# KiCad board hack_pad.kicad_pcb
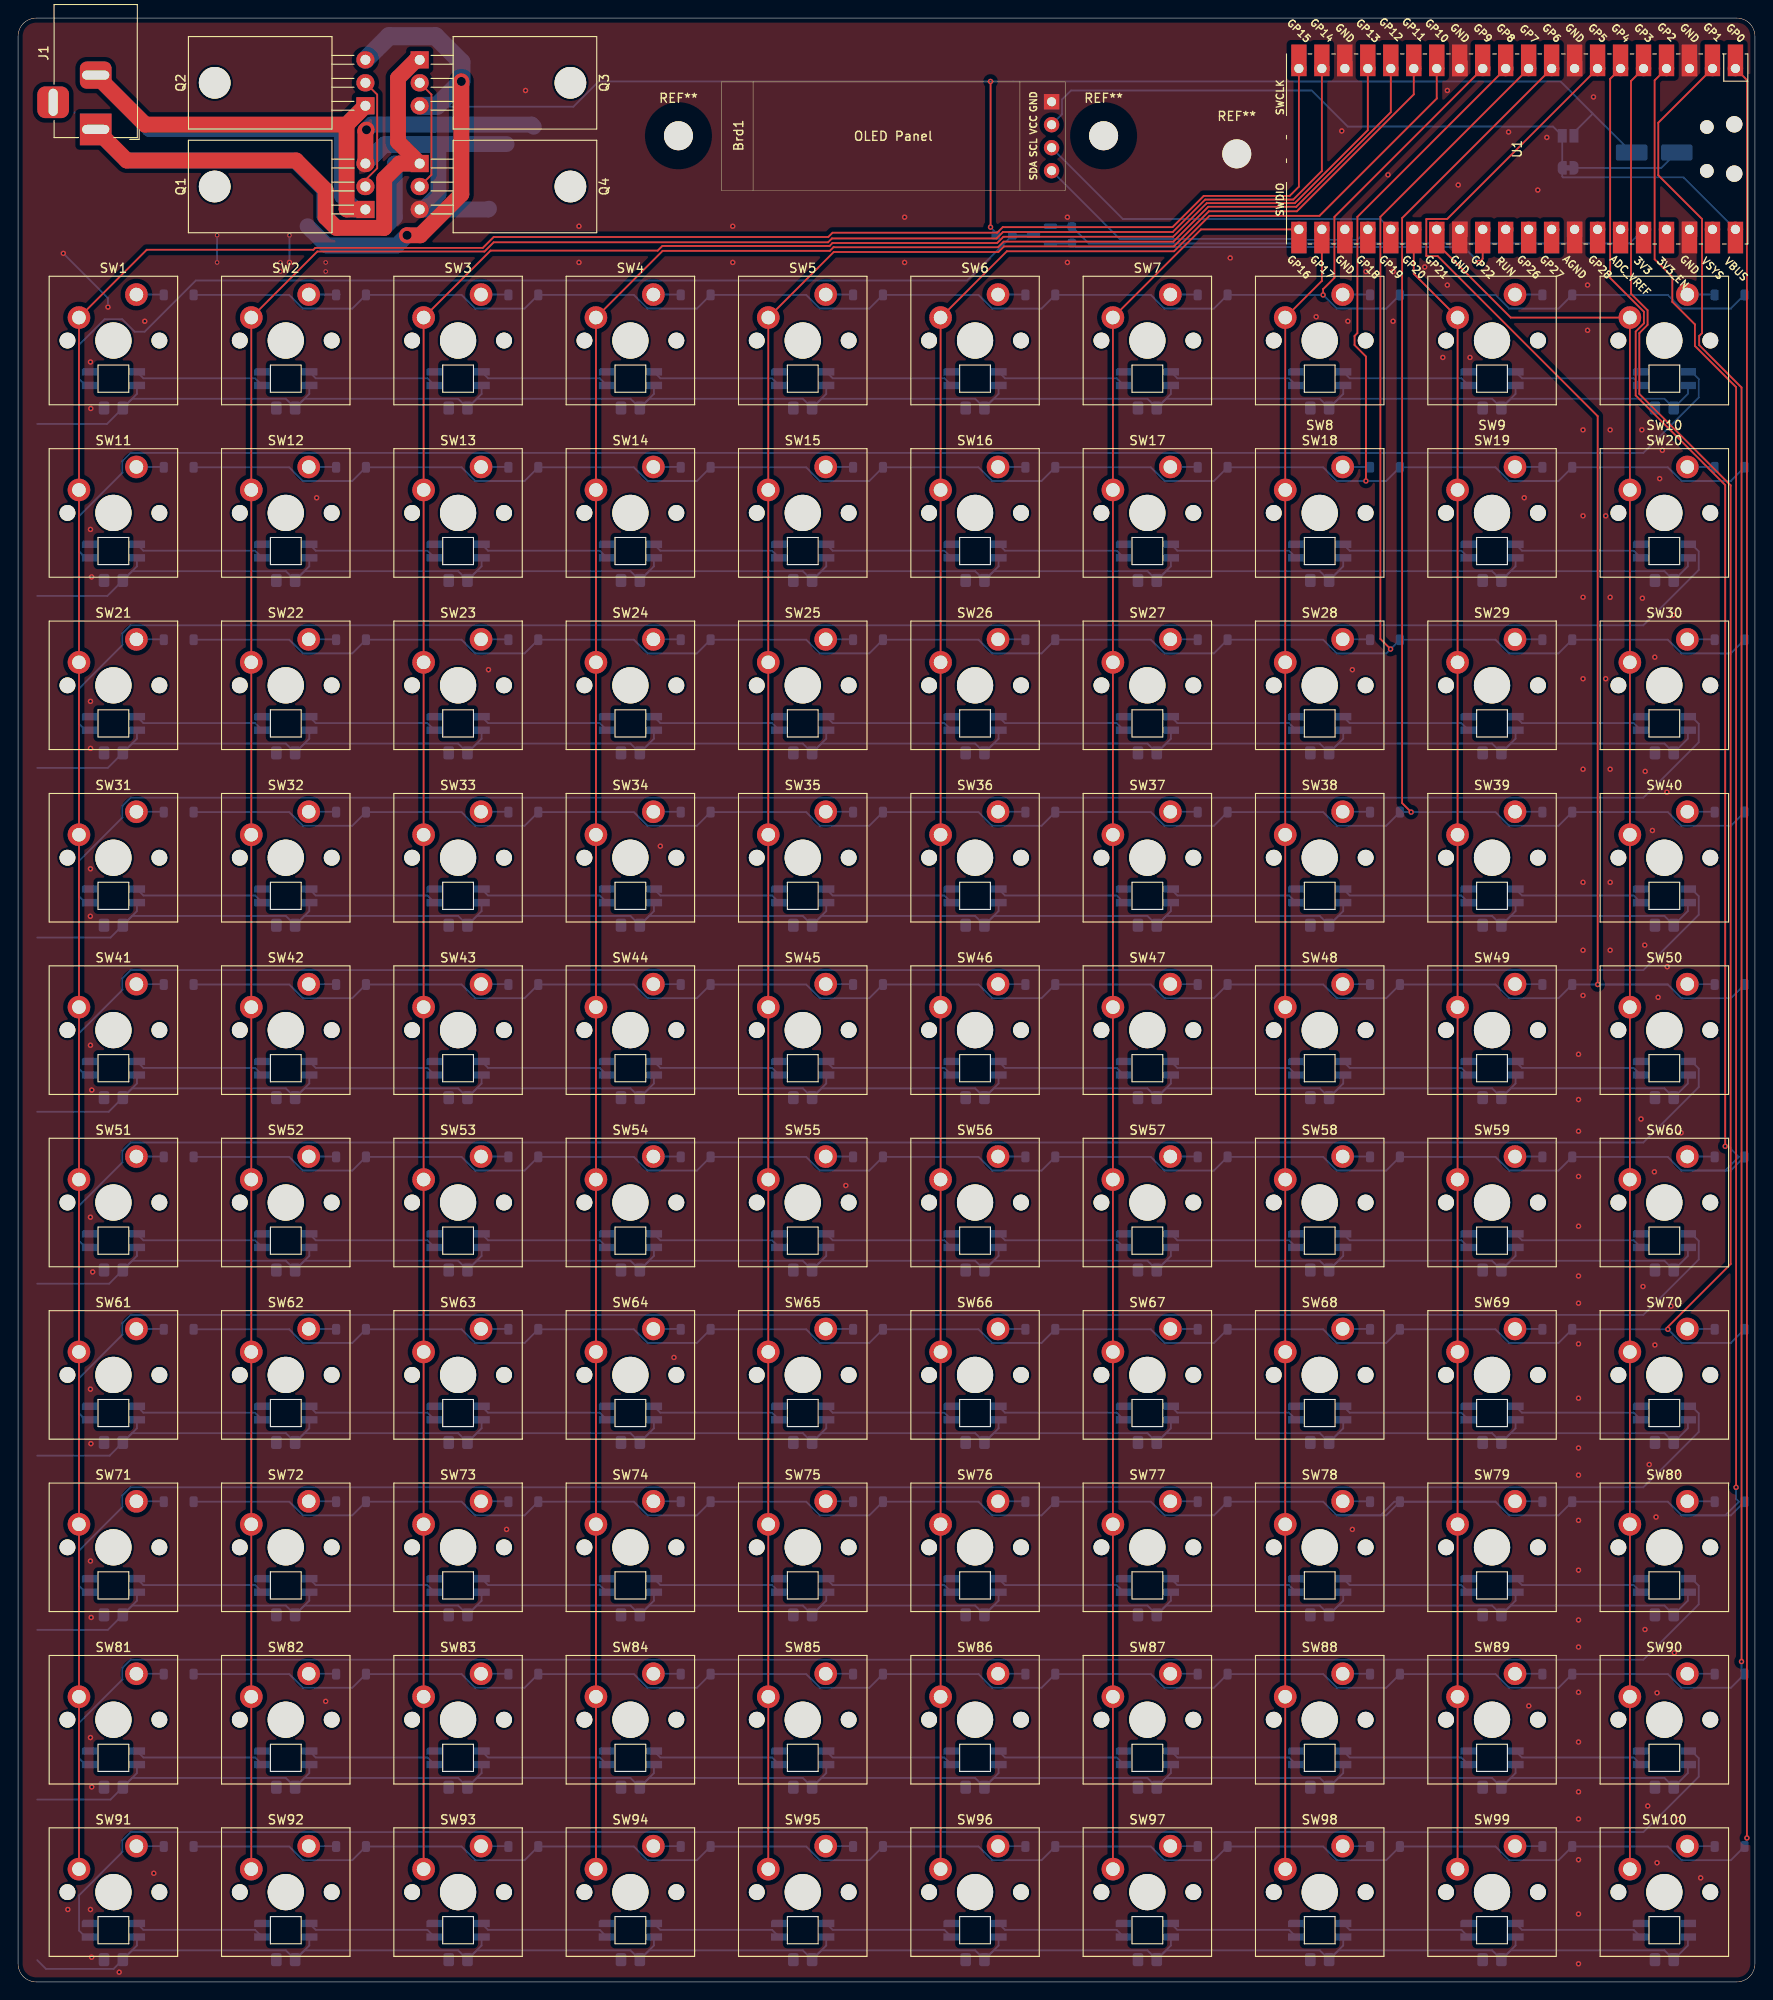
[diagram p0: board, top side]
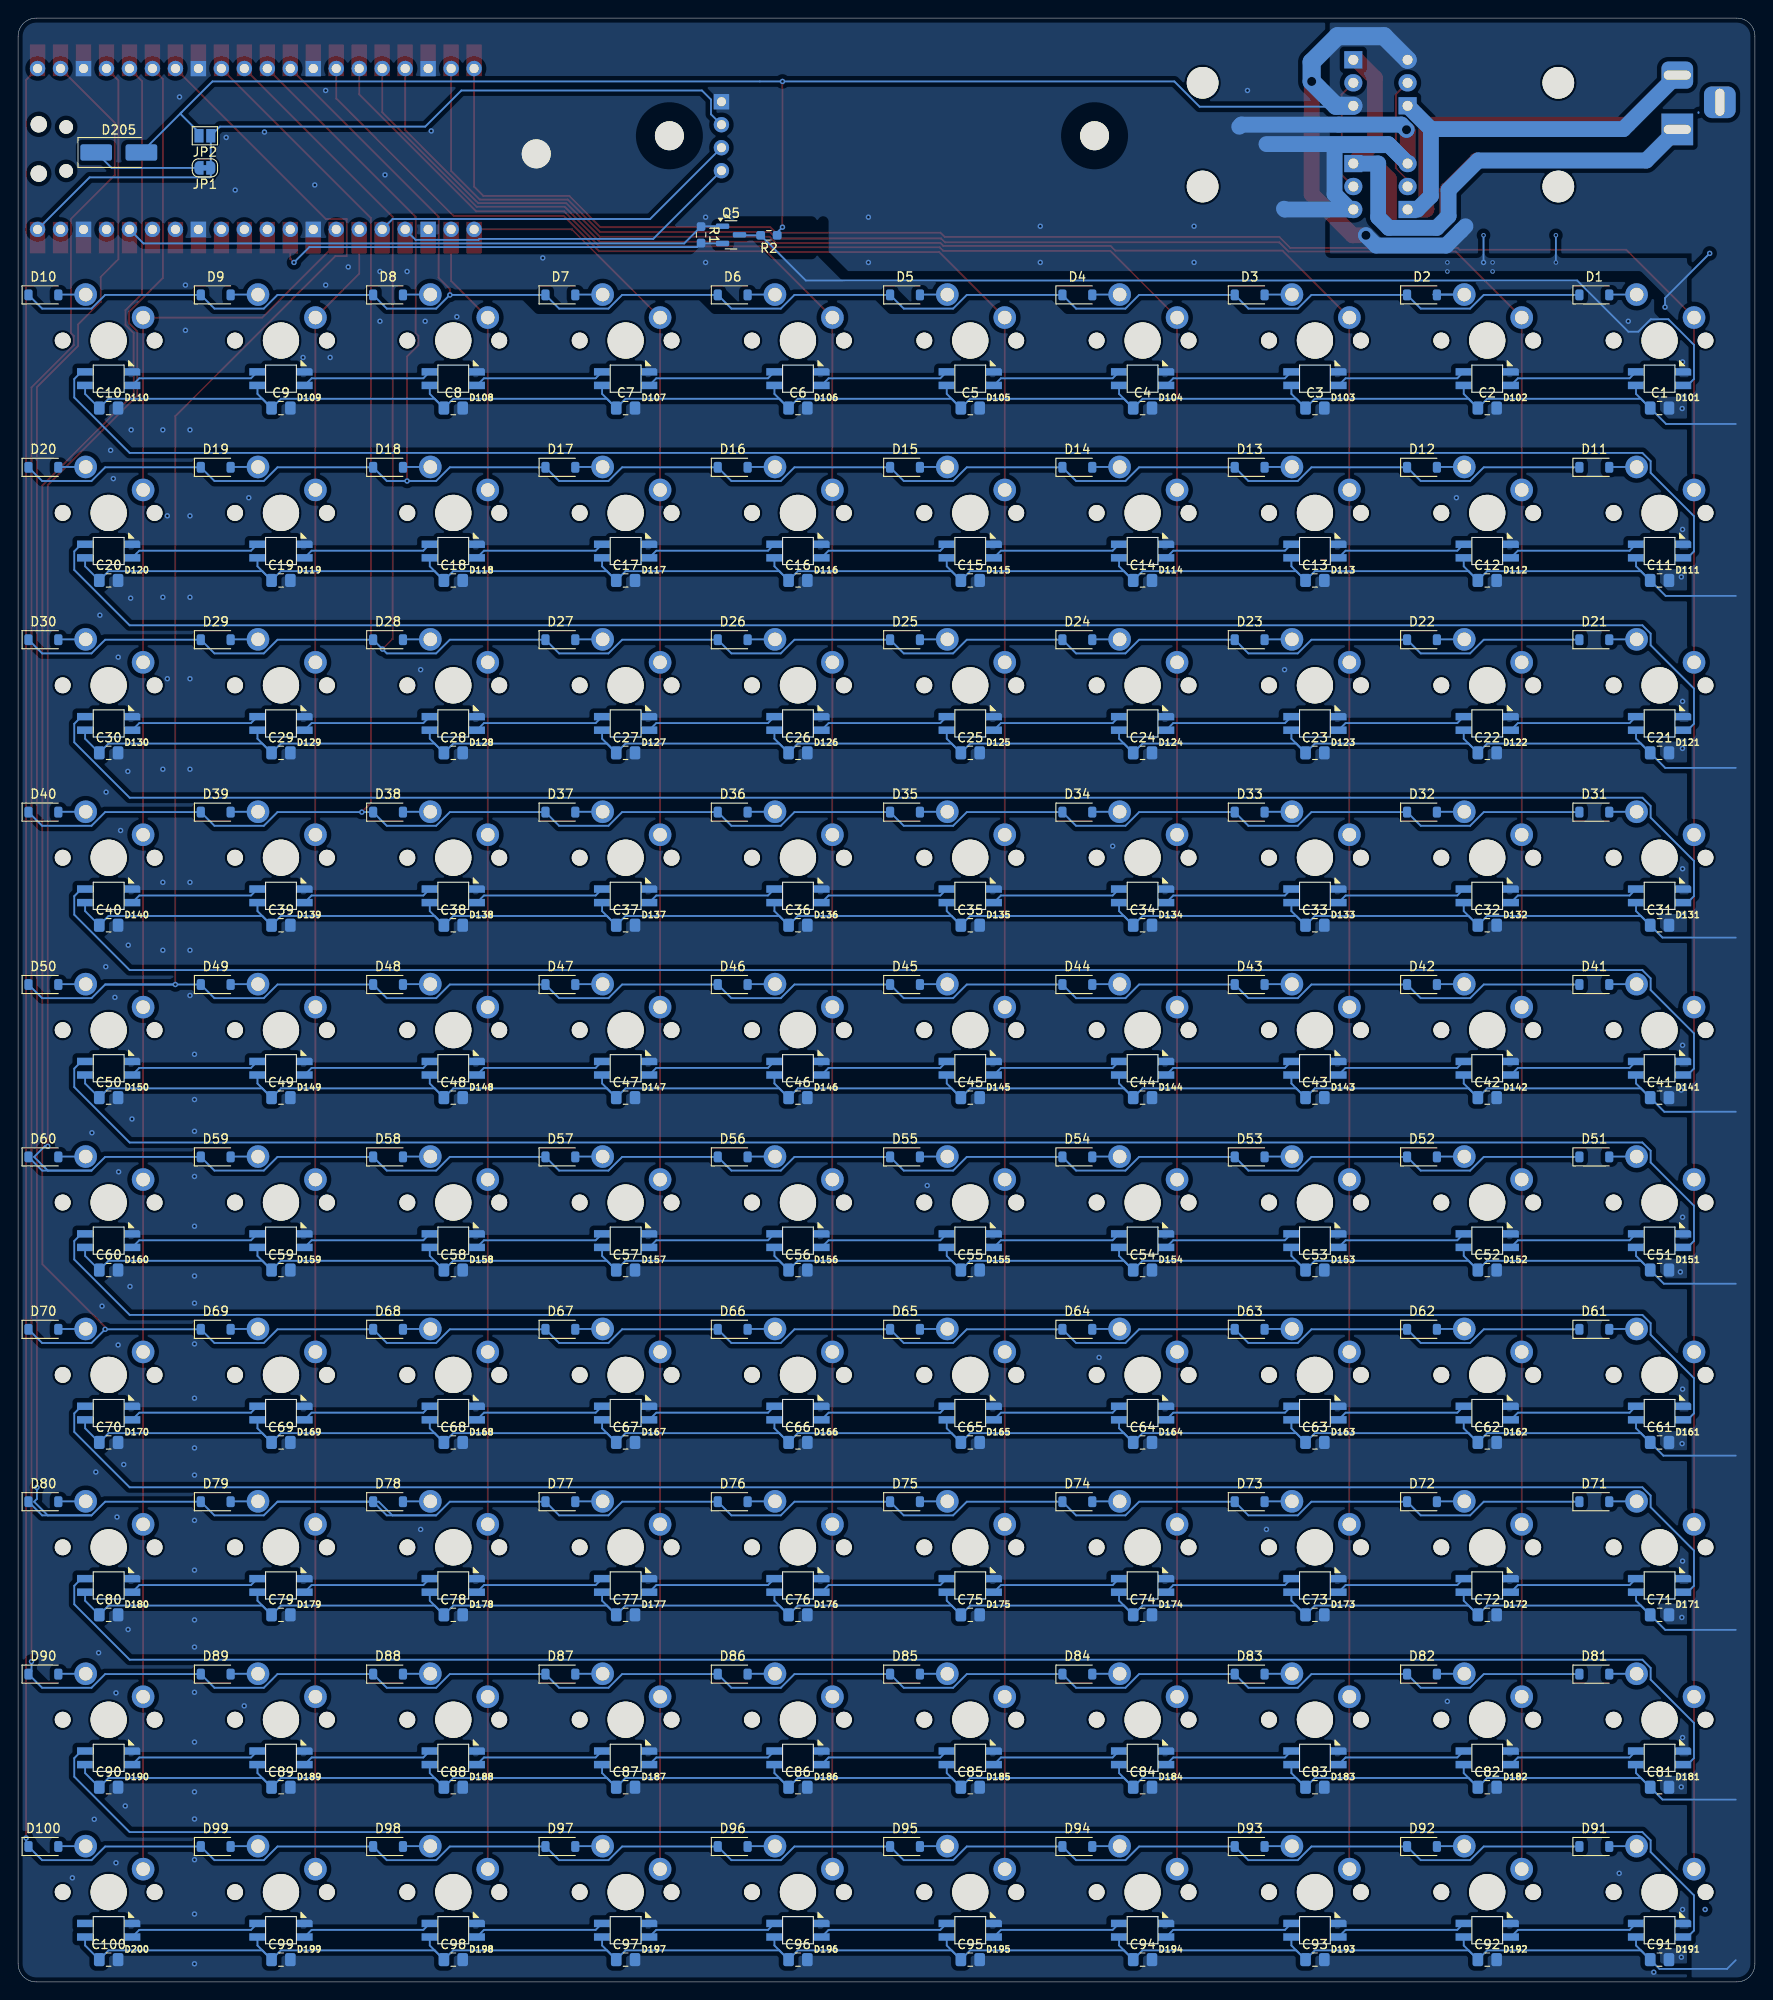
[diagram p1: board, bottom side, seen from below]

Outline 192 x 217 mm; copper layers: Top, Bottom. Coordinates in mm from the lower left corner of the outline.
Outline path: 0,215 arc(0.59,216.41) 2,217 190,217 arc(191.41,216.41) 192,215 192,2 arc(191.41,0.59) 190,0 2,0 arc(0.59,0.59) 0,2 0,215

## Placement (name value [footprint] x y rotation side)
Brd1  SSD1306  [SSD1306-0.91-OLED-4pin-128x32]  77.75 209.95 0 top
C1  C  [C_0805_2012Metric_Pad1.18x1.45mm_HandSolder]  10.54 173.91 180 bottom
C2  C  [C_0805_2012Metric_Pad1.18x1.45mm_HandSolder]  29.59 173.91 180 bottom
C3  C  [C_0805_2012Metric_Pad1.18x1.45mm_HandSolder]  48.64 173.91 180 bottom
C4  C  [C_0805_2012Metric_Pad1.18x1.45mm_HandSolder]  67.69 173.91 180 bottom
C5  C  [C_0805_2012Metric_Pad1.18x1.45mm_HandSolder]  86.74 173.91 180 bottom
C6  C  [C_0805_2012Metric_Pad1.18x1.45mm_HandSolder]  105.79 173.91 180 bottom
C7  C  [C_0805_2012Metric_Pad1.18x1.45mm_HandSolder]  124.84 173.91 180 bottom
C8  C  [C_0805_2012Metric_Pad1.18x1.45mm_HandSolder]  143.89 173.91 180 bottom
C9  C  [C_0805_2012Metric_Pad1.18x1.45mm_HandSolder]  162.94 173.91 180 bottom
C10  C  [C_0805_2012Metric_Pad1.18x1.45mm_HandSolder]  181.99 173.91 180 bottom
C11  C  [C_0805_2012Metric_Pad1.18x1.45mm_HandSolder]  10.54 154.86 180 bottom
C12  C  [C_0805_2012Metric_Pad1.18x1.45mm_HandSolder]  29.59 154.86 180 bottom
C13  C  [C_0805_2012Metric_Pad1.18x1.45mm_HandSolder]  48.64 154.86 180 bottom
C14  C  [C_0805_2012Metric_Pad1.18x1.45mm_HandSolder]  67.69 154.86 180 bottom
C15  C  [C_0805_2012Metric_Pad1.18x1.45mm_HandSolder]  86.74 154.86 180 bottom
C16  C  [C_0805_2012Metric_Pad1.18x1.45mm_HandSolder]  105.79 154.86 180 bottom
C17  C  [C_0805_2012Metric_Pad1.18x1.45mm_HandSolder]  124.84 154.86 180 bottom
C18  C  [C_0805_2012Metric_Pad1.18x1.45mm_HandSolder]  143.89 154.86 180 bottom
C19  C  [C_0805_2012Metric_Pad1.18x1.45mm_HandSolder]  162.94 154.86 180 bottom
C20  C  [C_0805_2012Metric_Pad1.18x1.45mm_HandSolder]  181.99 154.86 180 bottom
C21  C  [C_0805_2012Metric_Pad1.18x1.45mm_HandSolder]  10.54 135.81 180 bottom
C22  C  [C_0805_2012Metric_Pad1.18x1.45mm_HandSolder]  29.59 135.81 180 bottom
C23  C  [C_0805_2012Metric_Pad1.18x1.45mm_HandSolder]  48.64 135.81 180 bottom
C24  C  [C_0805_2012Metric_Pad1.18x1.45mm_HandSolder]  67.69 135.81 180 bottom
C25  C  [C_0805_2012Metric_Pad1.18x1.45mm_HandSolder]  86.74 135.81 180 bottom
C26  C  [C_0805_2012Metric_Pad1.18x1.45mm_HandSolder]  105.79 135.81 180 bottom
C27  C  [C_0805_2012Metric_Pad1.18x1.45mm_HandSolder]  124.84 135.81 180 bottom
C28  C  [C_0805_2012Metric_Pad1.18x1.45mm_HandSolder]  143.89 135.81 180 bottom
C29  C  [C_0805_2012Metric_Pad1.18x1.45mm_HandSolder]  162.94 135.81 180 bottom
C30  C  [C_0805_2012Metric_Pad1.18x1.45mm_HandSolder]  181.99 135.81 180 bottom
C31  C  [C_0805_2012Metric_Pad1.18x1.45mm_HandSolder]  10.54 116.76 180 bottom
C32  C  [C_0805_2012Metric_Pad1.18x1.45mm_HandSolder]  29.59 116.76 180 bottom
C33  C  [C_0805_2012Metric_Pad1.18x1.45mm_HandSolder]  48.64 116.76 180 bottom
C34  C  [C_0805_2012Metric_Pad1.18x1.45mm_HandSolder]  67.69 116.76 180 bottom
C35  C  [C_0805_2012Metric_Pad1.18x1.45mm_HandSolder]  86.74 116.76 180 bottom
C36  C  [C_0805_2012Metric_Pad1.18x1.45mm_HandSolder]  105.79 116.76 180 bottom
C37  C  [C_0805_2012Metric_Pad1.18x1.45mm_HandSolder]  124.84 116.76 180 bottom
C38  C  [C_0805_2012Metric_Pad1.18x1.45mm_HandSolder]  143.89 116.76 180 bottom
C39  C  [C_0805_2012Metric_Pad1.18x1.45mm_HandSolder]  162.94 116.76 180 bottom
C40  C  [C_0805_2012Metric_Pad1.18x1.45mm_HandSolder]  181.99 116.76 180 bottom
C41  C  [C_0805_2012Metric_Pad1.18x1.45mm_HandSolder]  10.54 97.71 180 bottom
C42  C  [C_0805_2012Metric_Pad1.18x1.45mm_HandSolder]  29.59 97.71 180 bottom
C43  C  [C_0805_2012Metric_Pad1.18x1.45mm_HandSolder]  48.64 97.71 180 bottom
C44  C  [C_0805_2012Metric_Pad1.18x1.45mm_HandSolder]  67.69 97.71 180 bottom
C45  C  [C_0805_2012Metric_Pad1.18x1.45mm_HandSolder]  86.74 97.71 180 bottom
C46  C  [C_0805_2012Metric_Pad1.18x1.45mm_HandSolder]  105.79 97.71 180 bottom
C47  C  [C_0805_2012Metric_Pad1.18x1.45mm_HandSolder]  124.84 97.71 180 bottom
C48  C  [C_0805_2012Metric_Pad1.18x1.45mm_HandSolder]  143.89 97.71 180 bottom
C49  C  [C_0805_2012Metric_Pad1.18x1.45mm_HandSolder]  162.94 97.71 180 bottom
C50  C  [C_0805_2012Metric_Pad1.18x1.45mm_HandSolder]  181.99 97.71 180 bottom
C51  C  [C_0805_2012Metric_Pad1.18x1.45mm_HandSolder]  10.54 78.66 180 bottom
C52  C  [C_0805_2012Metric_Pad1.18x1.45mm_HandSolder]  29.59 78.66 180 bottom
C53  C  [C_0805_2012Metric_Pad1.18x1.45mm_HandSolder]  48.64 78.66 180 bottom
C54  C  [C_0805_2012Metric_Pad1.18x1.45mm_HandSolder]  67.69 78.66 180 bottom
C55  C  [C_0805_2012Metric_Pad1.18x1.45mm_HandSolder]  86.74 78.66 180 bottom
C56  C  [C_0805_2012Metric_Pad1.18x1.45mm_HandSolder]  105.79 78.66 180 bottom
C57  C  [C_0805_2012Metric_Pad1.18x1.45mm_HandSolder]  124.84 78.66 180 bottom
C58  C  [C_0805_2012Metric_Pad1.18x1.45mm_HandSolder]  143.89 78.66 180 bottom
C59  C  [C_0805_2012Metric_Pad1.18x1.45mm_HandSolder]  162.94 78.66 180 bottom
C60  C  [C_0805_2012Metric_Pad1.18x1.45mm_HandSolder]  181.99 78.66 180 bottom
C61  C  [C_0805_2012Metric_Pad1.18x1.45mm_HandSolder]  10.54 59.61 180 bottom
C62  C  [C_0805_2012Metric_Pad1.18x1.45mm_HandSolder]  29.59 59.61 180 bottom
C63  C  [C_0805_2012Metric_Pad1.18x1.45mm_HandSolder]  48.64 59.61 180 bottom
C64  C  [C_0805_2012Metric_Pad1.18x1.45mm_HandSolder]  67.69 59.61 180 bottom
C65  C  [C_0805_2012Metric_Pad1.18x1.45mm_HandSolder]  86.74 59.61 180 bottom
C66  C  [C_0805_2012Metric_Pad1.18x1.45mm_HandSolder]  105.79 59.61 180 bottom
C67  C  [C_0805_2012Metric_Pad1.18x1.45mm_HandSolder]  124.84 59.61 180 bottom
C68  C  [C_0805_2012Metric_Pad1.18x1.45mm_HandSolder]  143.89 59.61 180 bottom
C69  C  [C_0805_2012Metric_Pad1.18x1.45mm_HandSolder]  162.94 59.61 180 bottom
C70  C  [C_0805_2012Metric_Pad1.18x1.45mm_HandSolder]  181.99 59.61 180 bottom
C71  C  [C_0805_2012Metric_Pad1.18x1.45mm_HandSolder]  10.54 40.56 180 bottom
C72  C  [C_0805_2012Metric_Pad1.18x1.45mm_HandSolder]  29.59 40.56 180 bottom
C73  C  [C_0805_2012Metric_Pad1.18x1.45mm_HandSolder]  48.64 40.56 180 bottom
C74  C  [C_0805_2012Metric_Pad1.18x1.45mm_HandSolder]  67.69 40.56 180 bottom
C75  C  [C_0805_2012Metric_Pad1.18x1.45mm_HandSolder]  86.74 40.56 180 bottom
C76  C  [C_0805_2012Metric_Pad1.18x1.45mm_HandSolder]  105.79 40.56 180 bottom
C77  C  [C_0805_2012Metric_Pad1.18x1.45mm_HandSolder]  124.84 40.56 180 bottom
C78  C  [C_0805_2012Metric_Pad1.18x1.45mm_HandSolder]  143.89 40.56 180 bottom
C79  C  [C_0805_2012Metric_Pad1.18x1.45mm_HandSolder]  162.94 40.56 180 bottom
C80  C  [C_0805_2012Metric_Pad1.18x1.45mm_HandSolder]  181.99 40.56 180 bottom
C81  C  [C_0805_2012Metric_Pad1.18x1.45mm_HandSolder]  10.54 21.51 180 bottom
C82  C  [C_0805_2012Metric_Pad1.18x1.45mm_HandSolder]  29.59 21.51 180 bottom
C83  C  [C_0805_2012Metric_Pad1.18x1.45mm_HandSolder]  48.64 21.51 180 bottom
C84  C  [C_0805_2012Metric_Pad1.18x1.45mm_HandSolder]  67.69 21.51 180 bottom
C85  C  [C_0805_2012Metric_Pad1.18x1.45mm_HandSolder]  86.74 21.51 180 bottom
C86  C  [C_0805_2012Metric_Pad1.18x1.45mm_HandSolder]  105.79 21.51 180 bottom
C87  C  [C_0805_2012Metric_Pad1.18x1.45mm_HandSolder]  124.84 21.51 180 bottom
C88  C  [C_0805_2012Metric_Pad1.18x1.45mm_HandSolder]  143.89 21.51 180 bottom
C89  C  [C_0805_2012Metric_Pad1.18x1.45mm_HandSolder]  162.94 21.51 180 bottom
C90  C  [C_0805_2012Metric_Pad1.18x1.45mm_HandSolder]  181.99 21.51 180 bottom
C91  C  [C_0805_2012Metric_Pad1.18x1.45mm_HandSolder]  10.54 2.46 180 bottom
C92  C  [C_0805_2012Metric_Pad1.18x1.45mm_HandSolder]  29.59 2.46 180 bottom
C93  C  [C_0805_2012Metric_Pad1.18x1.45mm_HandSolder]  48.64 2.46 180 bottom
C94  C  [C_0805_2012Metric_Pad1.18x1.45mm_HandSolder]  67.69 2.46 180 bottom
C95  C  [C_0805_2012Metric_Pad1.18x1.45mm_HandSolder]  86.74 2.46 180 bottom
C96  C  [C_0805_2012Metric_Pad1.18x1.45mm_HandSolder]  105.79 2.46 180 bottom
C97  C  [C_0805_2012Metric_Pad1.18x1.45mm_HandSolder]  124.84 2.46 180 bottom
C98  C  [C_0805_2012Metric_Pad1.18x1.45mm_HandSolder]  143.89 2.46 180 bottom
C99  C  [C_0805_2012Metric_Pad1.18x1.45mm_HandSolder]  162.94 2.46 180 bottom
C100  C  [C_0805_2012Metric_Pad1.18x1.45mm_HandSolder]  181.99 2.46 180 bottom
D1  D  [D_SOD-123]  17.75 186.41 180 bottom
D2  D  [D_SOD-123]  36.8 186.41 180 bottom
D3  D  [D_SOD-123]  55.85 186.41 180 bottom
D4  D  [D_SOD-123]  74.9 186.41 180 bottom
D5  D  [D_SOD-123]  93.95 186.41 180 bottom
D6  D  [D_SOD-123]  113 186.41 180 bottom
D7  D  [D_SOD-123]  132.05 186.41 180 bottom
D8  D  [D_SOD-123]  151.1 186.41 180 bottom
D9  D  [D_SOD-123]  170.15 186.41 180 bottom
D10  D  [D_SOD-123]  189.2 186.41 180 bottom
D11  D  [D_SOD-123]  17.75 167.36 180 bottom
D12  D  [D_SOD-123]  36.8 167.36 180 bottom
D13  D  [D_SOD-123]  55.85 167.36 180 bottom
D14  D  [D_SOD-123]  74.9 167.36 180 bottom
D15  D  [D_SOD-123]  93.95 167.36 180 bottom
D16  D  [D_SOD-123]  113 167.36 180 bottom
D17  D  [D_SOD-123]  132.05 167.36 180 bottom
D18  D  [D_SOD-123]  151.1 167.36 180 bottom
D19  D  [D_SOD-123]  170.15 167.36 180 bottom
D20  D  [D_SOD-123]  189.2 167.36 180 bottom
D21  D  [D_SOD-123]  17.75 148.31 180 bottom
D22  D  [D_SOD-123]  36.8 148.31 180 bottom
D23  D  [D_SOD-123]  55.85 148.31 180 bottom
D24  D  [D_SOD-123]  74.9 148.31 180 bottom
D25  D  [D_SOD-123]  93.95 148.31 180 bottom
D26  D  [D_SOD-123]  113 148.31 180 bottom
D27  D  [D_SOD-123]  132.05 148.31 180 bottom
D28  D  [D_SOD-123]  151.1 148.31 180 bottom
D29  D  [D_SOD-123]  170.15 148.31 180 bottom
D30  D  [D_SOD-123]  189.2 148.31 180 bottom
D31  D  [D_SOD-123]  17.75 129.26 180 bottom
D32  D  [D_SOD-123]  36.8 129.26 180 bottom
D33  D  [D_SOD-123]  55.85 129.26 180 bottom
D34  D  [D_SOD-123]  74.9 129.26 180 bottom
D35  D  [D_SOD-123]  93.95 129.26 180 bottom
D36  D  [D_SOD-123]  113 129.26 180 bottom
D37  D  [D_SOD-123]  132.05 129.26 180 bottom
D38  D  [D_SOD-123]  151.1 129.26 180 bottom
D39  D  [D_SOD-123]  170.15 129.26 180 bottom
D40  D  [D_SOD-123]  189.2 129.26 180 bottom
D41  D  [D_SOD-123]  17.75 110.21 180 bottom
D42  D  [D_SOD-123]  36.8 110.21 180 bottom
D43  D  [D_SOD-123]  55.85 110.21 180 bottom
D44  D  [D_SOD-123]  74.9 110.21 180 bottom
D45  D  [D_SOD-123]  93.95 110.21 180 bottom
D46  D  [D_SOD-123]  113 110.21 180 bottom
D47  D  [D_SOD-123]  132.05 110.21 180 bottom
D48  D  [D_SOD-123]  151.1 110.21 180 bottom
D49  D  [D_SOD-123]  170.15 110.21 180 bottom
D50  D  [D_SOD-123]  189.2 110.21 180 bottom
D51  D  [D_SOD-123]  17.75 91.16 180 bottom
D52  D  [D_SOD-123]  36.8 91.16 180 bottom
D53  D  [D_SOD-123]  55.85 91.16 180 bottom
D54  D  [D_SOD-123]  74.9 91.16 180 bottom
D55  D  [D_SOD-123]  93.95 91.16 180 bottom
D56  D  [D_SOD-123]  113 91.16 180 bottom
D57  D  [D_SOD-123]  132.05 91.16 180 bottom
D58  D  [D_SOD-123]  151.1 91.16 180 bottom
D59  D  [D_SOD-123]  170.15 91.16 180 bottom
D60  D  [D_SOD-123]  189.2 91.16 180 bottom
D61  D  [D_SOD-123]  17.75 72.11 180 bottom
D62  D  [D_SOD-123]  36.8 72.11 180 bottom
D63  D  [D_SOD-123]  55.85 72.11 180 bottom
D64  D  [D_SOD-123]  74.9 72.11 180 bottom
D65  D  [D_SOD-123]  93.95 72.11 180 bottom
D66  D  [D_SOD-123]  113 72.11 180 bottom
D67  D  [D_SOD-123]  132.05 72.11 180 bottom
D68  D  [D_SOD-123]  151.1 72.11 180 bottom
D69  D  [D_SOD-123]  170.15 72.11 180 bottom
D70  D  [D_SOD-123]  189.2 72.11 180 bottom
D71  D  [D_SOD-123]  17.75 53.06 180 bottom
D72  D  [D_SOD-123]  36.8 53.06 180 bottom
D73  D  [D_SOD-123]  55.85 53.06 180 bottom
D74  D  [D_SOD-123]  74.9 53.06 180 bottom
D75  D  [D_SOD-123]  93.95 53.06 180 bottom
D76  D  [D_SOD-123]  113 53.06 180 bottom
D77  D  [D_SOD-123]  132.05 53.06 180 bottom
D78  D  [D_SOD-123]  151.1 53.06 180 bottom
D79  D  [D_SOD-123]  170.15 53.06 180 bottom
D80  D  [D_SOD-123]  189.2 53.06 180 bottom
D81  D  [D_SOD-123]  17.75 34.01 180 bottom
D82  D  [D_SOD-123]  36.8 34.01 180 bottom
D83  D  [D_SOD-123]  55.85 34.01 180 bottom
D84  D  [D_SOD-123]  74.9 34.01 180 bottom
D85  D  [D_SOD-123]  93.95 34.01 180 bottom
D86  D  [D_SOD-123]  113 34.01 180 bottom
D87  D  [D_SOD-123]  132.05 34.01 180 bottom
D88  D  [D_SOD-123]  151.1 34.01 180 bottom
D89  D  [D_SOD-123]  170.15 34.01 180 bottom
D90  D  [D_SOD-123]  189.2 34.01 180 bottom
D91  D  [D_SOD-123]  17.75 14.96 180 bottom
D92  D  [D_SOD-123]  36.8 14.96 180 bottom
D93  D  [D_SOD-123]  55.85 14.96 180 bottom
D94  D  [D_SOD-123]  74.9 14.96 180 bottom
D95  D  [D_SOD-123]  93.95 14.96 180 bottom
D96  D  [D_SOD-123]  113 14.96 180 bottom
D97  D  [D_SOD-123]  132.05 14.96 180 bottom
D98  D  [D_SOD-123]  151.1 14.96 180 bottom
D99  D  [D_SOD-123]  170.15 14.96 180 bottom
D100  D  [D_SOD-123]  189.2 14.96 180 bottom
D101  SK6812MINI  [SK6812MINI-E]  10.54 177.16 180 bottom
D102  SK6812MINI  [SK6812MINI-E]  29.59 177.16 180 bottom
D103  SK6812MINI  [SK6812MINI-E]  48.64 177.16 180 bottom
D104  SK6812MINI  [SK6812MINI-E]  67.69 177.16 180 bottom
D105  SK6812MINI  [SK6812MINI-E]  86.74 177.16 180 bottom
D106  SK6812MINI  [SK6812MINI-E]  105.79 177.16 180 bottom
D107  SK6812MINI  [SK6812MINI-E]  124.84 177.16 180 bottom
D108  SK6812MINI  [SK6812MINI-E]  143.89 177.16 180 bottom
D109  SK6812MINI  [SK6812MINI-E]  162.94 177.16 180 bottom
D110  SK6812MINI  [SK6812MINI-E]  181.99 177.16 180 bottom
D111  SK6812MINI  [SK6812MINI-E]  10.54 158.11 180 bottom
D112  SK6812MINI  [SK6812MINI-E]  29.59 158.11 180 bottom
D113  SK6812MINI  [SK6812MINI-E]  48.64 158.11 180 bottom
D114  SK6812MINI  [SK6812MINI-E]  67.69 158.11 180 bottom
D115  SK6812MINI  [SK6812MINI-E]  86.74 158.11 180 bottom
D116  SK6812MINI  [SK6812MINI-E]  105.79 158.11 180 bottom
D117  SK6812MINI  [SK6812MINI-E]  124.84 158.11 180 bottom
D118  SK6812MINI  [SK6812MINI-E]  143.89 158.11 180 bottom
D119  SK6812MINI  [SK6812MINI-E]  162.94 158.11 180 bottom
D120  SK6812MINI  [SK6812MINI-E]  181.99 158.11 180 bottom
D121  SK6812MINI  [SK6812MINI-E]  10.54 139.06 180 bottom
D122  SK6812MINI  [SK6812MINI-E]  29.59 139.06 180 bottom
D123  SK6812MINI  [SK6812MINI-E]  48.64 139.06 180 bottom
D124  SK6812MINI  [SK6812MINI-E]  67.69 139.06 180 bottom
D125  SK6812MINI  [SK6812MINI-E]  86.74 139.06 180 bottom
D126  SK6812MINI  [SK6812MINI-E]  105.79 139.06 180 bottom
D127  SK6812MINI  [SK6812MINI-E]  124.84 139.06 180 bottom
D128  SK6812MINI  [SK6812MINI-E]  143.89 139.06 180 bottom
D129  SK6812MINI  [SK6812MINI-E]  162.94 139.06 180 bottom
D130  SK6812MINI  [SK6812MINI-E]  181.99 139.06 180 bottom
D131  SK6812MINI  [SK6812MINI-E]  10.54 120.01 180 bottom
D132  SK6812MINI  [SK6812MINI-E]  29.59 120.01 180 bottom
D133  SK6812MINI  [SK6812MINI-E]  48.64 120.01 180 bottom
D134  SK6812MINI  [SK6812MINI-E]  67.69 120.01 180 bottom
D135  SK6812MINI  [SK6812MINI-E]  86.74 120.01 180 bottom
D136  SK6812MINI  [SK6812MINI-E]  105.79 120.01 180 bottom
D137  SK6812MINI  [SK6812MINI-E]  124.84 120.01 180 bottom
D138  SK6812MINI  [SK6812MINI-E]  143.89 120.01 180 bottom
D139  SK6812MINI  [SK6812MINI-E]  162.94 120.01 180 bottom
D140  SK6812MINI  [SK6812MINI-E]  181.99 120.01 180 bottom
D141  SK6812MINI  [SK6812MINI-E]  10.54 100.96 180 bottom
D142  SK6812MINI  [SK6812MINI-E]  29.59 100.96 180 bottom
D143  SK6812MINI  [SK6812MINI-E]  48.64 100.96 180 bottom
D144  SK6812MINI  [SK6812MINI-E]  67.69 100.96 180 bottom
D145  SK6812MINI  [SK6812MINI-E]  86.74 100.96 180 bottom
D146  SK6812MINI  [SK6812MINI-E]  105.79 100.96 180 bottom
D147  SK6812MINI  [SK6812MINI-E]  124.84 100.96 180 bottom
D148  SK6812MINI  [SK6812MINI-E]  143.89 100.96 180 bottom
D149  SK6812MINI  [SK6812MINI-E]  162.94 100.96 180 bottom
D150  SK6812MINI  [SK6812MINI-E]  181.99 100.96 180 bottom
D151  SK6812MINI  [SK6812MINI-E]  10.54 81.91 180 bottom
D152  SK6812MINI  [SK6812MINI-E]  29.59 81.91 180 bottom
D153  SK6812MINI  [SK6812MINI-E]  48.64 81.91 180 bottom
D154  SK6812MINI  [SK6812MINI-E]  67.69 81.91 180 bottom
D155  SK6812MINI  [SK6812MINI-E]  86.74 81.91 180 bottom
D156  SK6812MINI  [SK6812MINI-E]  105.79 81.91 180 bottom
D157  SK6812MINI  [SK6812MINI-E]  124.84 81.91 180 bottom
D158  SK6812MINI  [SK6812MINI-E]  143.89 81.91 180 bottom
D159  SK6812MINI  [SK6812MINI-E]  162.94 81.91 180 bottom
D160  SK6812MINI  [SK6812MINI-E]  181.99 81.91 180 bottom
D161  SK6812MINI  [SK6812MINI-E]  10.54 62.86 180 bottom
D162  SK6812MINI  [SK6812MINI-E]  29.59 62.86 180 bottom
D163  SK6812MINI  [SK6812MINI-E]  48.64 62.86 180 bottom
D164  SK6812MINI  [SK6812MINI-E]  67.69 62.86 180 bottom
D165  SK6812MINI  [SK6812MINI-E]  86.74 62.86 180 bottom
D166  SK6812MINI  [SK6812MINI-E]  105.79 62.86 180 bottom
D167  SK6812MINI  [SK6812MINI-E]  124.84 62.86 180 bottom
D168  SK6812MINI  [SK6812MINI-E]  143.89 62.86 180 bottom
D169  SK6812MINI  [SK6812MINI-E]  162.94 62.86 180 bottom
D170  SK6812MINI  [SK6812MINI-E]  181.99 62.86 180 bottom
D171  SK6812MINI  [SK6812MINI-E]  10.54 43.81 180 bottom
D172  SK6812MINI  [SK6812MINI-E]  29.59 43.81 180 bottom
D173  SK6812MINI  [SK6812MINI-E]  48.64 43.81 180 bottom
D174  SK6812MINI  [SK6812MINI-E]  67.69 43.81 180 bottom
D175  SK6812MINI  [SK6812MINI-E]  86.74 43.81 180 bottom
D176  SK6812MINI  [SK6812MINI-E]  105.79 43.81 180 bottom
D177  SK6812MINI  [SK6812MINI-E]  124.84 43.81 180 bottom
D178  SK6812MINI  [SK6812MINI-E]  143.89 43.81 180 bottom
D179  SK6812MINI  [SK6812MINI-E]  162.94 43.81 180 bottom
D180  SK6812MINI  [SK6812MINI-E]  181.99 43.81 180 bottom
D181  SK6812MINI  [SK6812MINI-E]  10.54 24.76 180 bottom
D182  SK6812MINI  [SK6812MINI-E]  29.59 24.76 180 bottom
D183  SK6812MINI  [SK6812MINI-E]  48.64 24.76 180 bottom
D184  SK6812MINI  [SK6812MINI-E]  67.69 24.76 180 bottom
D185  SK6812MINI  [SK6812MINI-E]  86.74 24.76 180 bottom
D186  SK6812MINI  [SK6812MINI-E]  105.79 24.76 180 bottom
D187  SK6812MINI  [SK6812MINI-E]  124.84 24.76 180 bottom
D188  SK6812MINI  [SK6812MINI-E]  143.89 24.76 180 bottom
D189  SK6812MINI  [SK6812MINI-E]  162.94 24.76 180 bottom
D190  SK6812MINI  [SK6812MINI-E]  181.99 24.76 180 bottom
D191  SK6812MINI  [SK6812MINI-E]  10.54 5.71 180 bottom
D192  SK6812MINI  [SK6812MINI-E]  29.59 5.71 180 bottom
D193  SK6812MINI  [SK6812MINI-E]  48.64 5.71 180 bottom
D194  SK6812MINI  [SK6812MINI-E]  67.69 5.71 180 bottom
D195  SK6812MINI  [SK6812MINI-E]  86.74 5.71 180 bottom
D196  SK6812MINI  [SK6812MINI-E]  105.79 5.71 180 bottom
D197  SK6812MINI  [SK6812MINI-E]  124.84 5.71 180 bottom
D198  SK6812MINI  [SK6812MINI-E]  143.89 5.71 180 bottom
D199  SK6812MINI  [SK6812MINI-E]  162.94 5.71 180 bottom
D200  SK6812MINI  [SK6812MINI-E]  181.99 5.71 180 bottom
D205  D  [D_SMA_Handsoldering]  180.87 202.15 180 bottom
J1  Barrel_Jack_Switch  [BarrelJack_Horizontal]  8.58 204.7 270 top
JP1  SolderJumper_2_Bridged  [SolderJumper-2_P1.3mm_Bridged_RoundedPad1.0x1.5mm]  171.35 200.45 0 bottom
JP2  SolderJumper_2_Open  [SolderJumper-2_P1.3mm_Open_Pad1.0x1.5mm]  171.35 204 0 bottom
Q1  IRLZ44N  [TO-220-3_Horizontal_TabDown]  38.4 195.85 90 top
Q2  IRF9540N  [TO-220-3_Horizontal_TabDown]  38.4 207.31 90 top
Q3  IRF9540N  [TO-220-3_Horizontal_TabDown]  44.4 212.39 270 top
Q4  IRLZ44N  [TO-220-3_Horizontal_TabDown]  44.4 200.93 270 top
Q5  BSS138  [SOT-23]  113.19 193.05 180 bottom
R1  10K  [R_0603_1608Metric_Pad0.98x0.95mm_HandSolder]  116.5 193.05 270 bottom